# Altium PCB PCB2.PcbDoc (part 1 of 3) (continued)
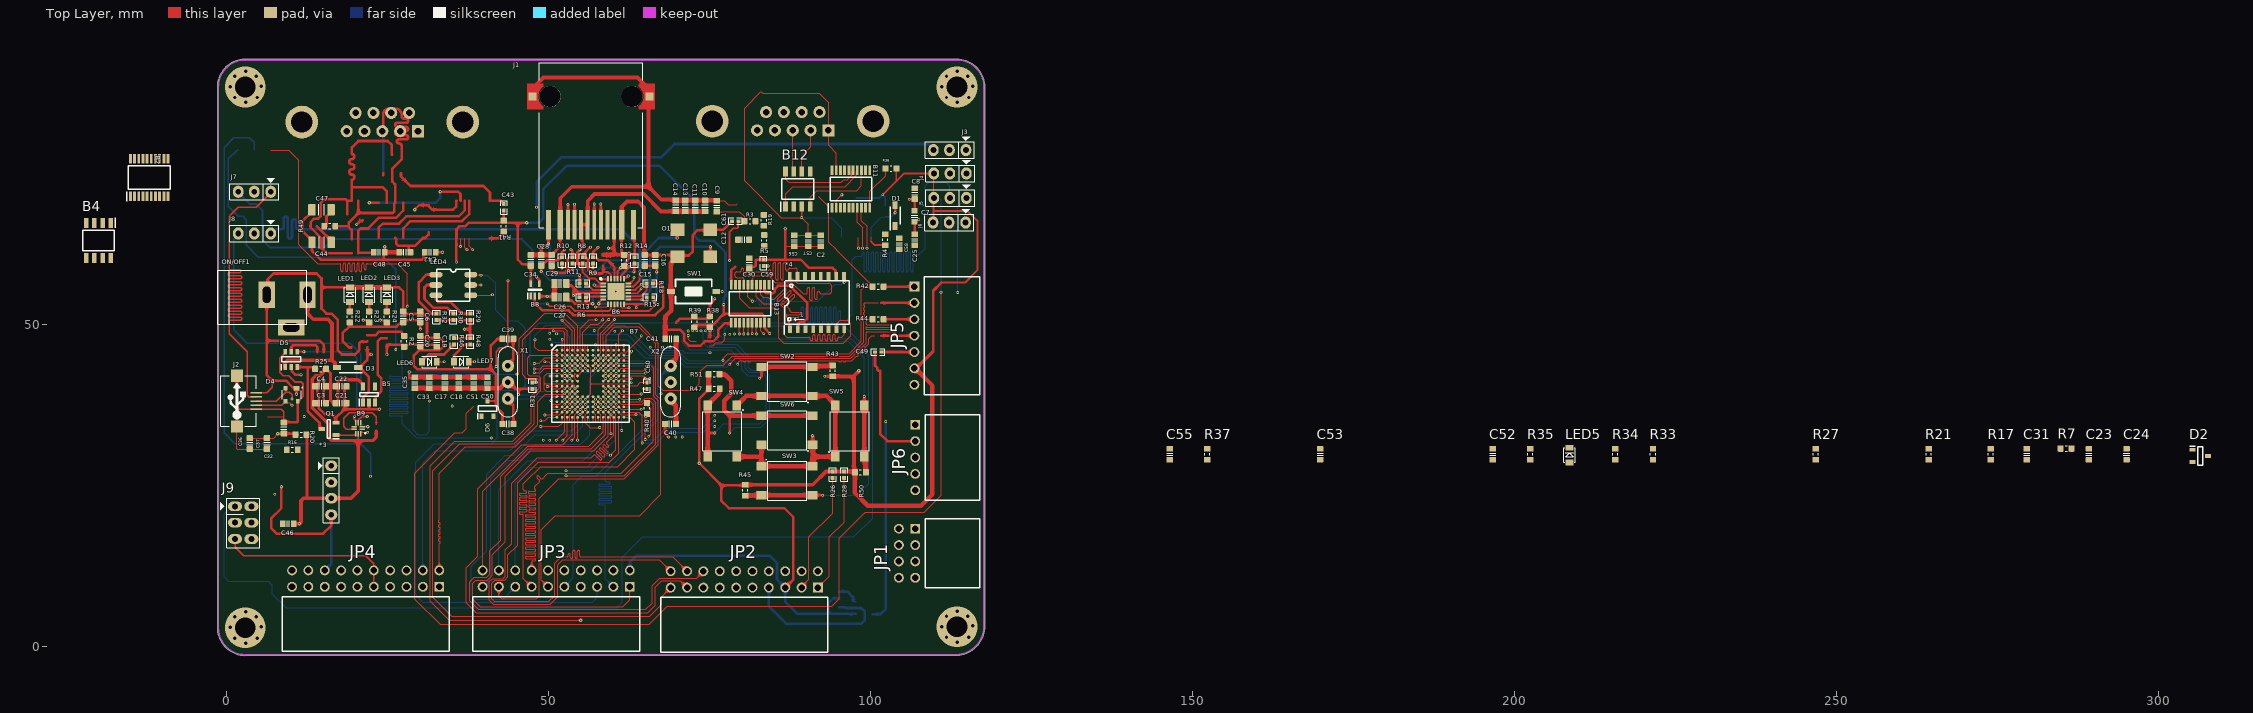
[diagram p0: Top Layer view]
## Footprints (in the part's own frame and the unit in brackets; to place one, negate y for a bottom-side part, rotate by r counter-clockwise, add the part's x,y. Pads: shape width x height; smd on the part's side, far side on the other; paste and mask are expansions set on the pad) (continued)
JP3x2 [mil] "Connector 3x2"
  oval 60x86 hole 36: 1(-100,-50) 2(0,-50) 3(99,-50) 4(-100,50) 5(0,50) 6(100,50)
  silkscreen extent -150,-141 153,100, body extent -150,-100 150,100, height 335
"JP 1x5 CC" [mm]
  rect 1.52x1.52 hole 1.02: 1(-5.08,0)
  round 1.52 hole 1.02: 2(-2.54,0) 3(0,0) 4(2.54,0) 5(5.08,0)
  silkscreen extent -6.6,1.52 6.6,10.05, body extent -6.6,-0.25 6.6,10.05, height 2.51
"JP 1x7 CC" [mm] "07p 1 row Right angle"
  rect 1.52x1.52 hole 1.02: 1(-7.62,0)
  round 1.52 hole 1.02: 2(-5.08,0) 3(-2.54,0) 4(0,0) 5(2.54,0) 6(5.08,0) 7(7.62,0)
  silkscreen extent -9.14,1.52 9.14,10.17, body extent -9.14,-0.25 9.14,10.05, height 2.51
"JP 2X4 CC" [mm] "08p 2 rows Right angle"
  rect 1.52x1.52 hole 1.02: 1(-3.81,1.27)
  round 1.52 hole 1.02: 2(-1.27,1.27) 3(1.27,1.27) 4(3.81,1.27) 5(3.81,-1.27) 6(1.27,-1.27) 7(-1.27,-1.27) 8(-3.81,-1.27)
  silkscreen extent -5.33,2.79 5.33,11.32, body extent -5.33,-1.52 5.33,11.32, height 5.09
"JP 2x10 CC" [mm] "20p 2 rows Right angle"
  rect 1.52x1.52 hole 1.02: 1(-11.43,1.27)
  round 1.52 hole 1.02: 2(-8.89,1.27) 3(-6.35,1.27) 4(-3.81,1.27) 5(-1.27,1.27) 6(1.27,1.27) 7(3.81,1.27) 8(6.35,1.27) 9(8.89,1.27) 10(11.43,1.27) 11(11.43,-1.27) 12(8.89,-1.27) 13(6.35,-1.27) 14(3.81,-1.27) 15(1.27,-1.27) 16(-1.27,-1.27) 17(-3.81,-1.27) 18(-6.35,-1.27) 19(-8.89,-1.27) 20(-11.43,-1.27)
  silkscreen extent -12.95,2.79 12.95,11.32, body extent -12.95,-1.48 12.95,11.36, height 5.09
"LED RGB 5050" [mm]
  oct 2x0.9 smd: 1(-2.794,1.6)
  oval 2x0.9 smd: 2(-2.794,0) 3(-2.794,-1.6) 4(2.606,-1.6) 5(2.606,0) 6(2.606,1.6)
  silkscreen extent -2.67,-2.54 2.41,2.4, body extent -2.78,-2.54 2.52,2.46, height 1.6
"OLED_I2C - duplicate" [mil] "Jumper 4"
  oval 75x65 hole 36: 1(-75,145) 2(-75,44) 3(-75,-54) 4(-75,-155)
  silkscreen extent -156,-205 -25,195, body extent -134,-245 1374,231, height 178
"OSC SMD5070" [mm]
  rect 2.15x1.95 smd: 1(-2.504,2.077) 2(-2.504,-2.123) 3(2.576,-2.123) 4(2.576,2.077)
  silkscreen extent -3.51,2.83 -3.41,2.93, body extent -3.61,-2.42 3.69,2.38, height 1
PMEG2005EGWX [mm]
  rect 1.25x0.8 smd: 1(-1.65,0) 2(1.65,0)
  silkscreen extent -2.27,-0.8 1.34,0.8, body extent -1.93,-0.84 1.67,0.76, height 1.24
PRTR5V0U2X [mm]
  rect 1x0.7 smd: 1(-0.75,-1)
  rect 0.6x0.7 smd: 2(0.95,-1) 3(0.95,1) 4(-0.95,1)
  silkscreen extent -1.7,-1.15 1.45,0.7, body extent -1.45,-1.14 1.45,1.26, height 0.81
QFN40P140X180X50-10N [mm]
  rect 0.85x0.2 smd: 1(-0.65,0.2) 2(-0.65,-0.2) 6(0.65,-0.2) 7(0.65,0.2)
  rect 0.2x0.85 smd: 3(-0.4,-0.85) 4(0,-0.85) 5(0.4,-0.85) 8(0.4,0.85) 9(0,0.85) 10(-0.4,0.85)
  silkscreen extent -1.17,0.7 -0.98,0.9, body extent -0.7,-0.91 0.7,0.89, height 0.45
QFN50P400X400X100-25N-D [mm]
  rect 0.85x0.3 smd: 1(-1.95,1.25) 2(-1.95,0.75) 3(-1.95,0.25) 4(-1.95,-0.25) 5(-1.95,-0.75) 6(-1.95,-1.25) 13(1.95,-1.25) 14(1.95,-0.75) 15(1.95,-0.25) 16(1.95,0.25) 17(1.95,0.75) 18(1.95,1.25)
  rect 0.3x0.85 smd: 7(-1.25,-1.95) 8(-0.75,-1.95) 9(-0.25,-1.95) 10(0.25,-1.95) 11(0.75,-1.95) 12(1.25,-1.95) 19(1.25,1.95) 20(0.75,1.95) 21(0.25,1.95) 22(-0.25,1.95) 23(-0.75,1.95) 24(-1.25,1.95)
  rect 2.6x2.6 smd: 25(0,0)
  silkscreen extent -2.5,1.88 -2.25,2.12, body extent -2.05,-2.05 2.05,2.05, height 1
RESC1005X40N [mm] "Chip Resistor, Body 1.0x0.5mm, EIA 0402, IPC Medium Density"
  round 0.2 on Mech15: 0(0,0)
  rrect20% 0.6x0.6 smd: 1(-0.5,0) 2(0.5,0)
  Top Layer pour cut-out: -0.325,0.375 -0.2,0.5 0.2,0.5 0.325,0.375 0.325,-0.375 0.2,-0.5 -0.2,-0.5 -0.325,-0.375
  silkscreen extent -1.05,-0.55 1.05,0.55, body extent -0.52,-0.27 0.53,0.28, height 0.4
RESC1608X55N [mm]
  round 0.254 on Mech15: 0(0,0)
  rrect25% 0.9x1 smd: 1(-0.85,0) 2(0.85,0)
  Top Layer pour cut-out: -0.6,0.5 -0.4,0.7 0.4,0.7 0.6,0.5 0.6,-0.5 0.4,-0.7 -0.4,-0.7 -0.6,-0.5
  silkscreen extent -0.15,-0.41 0.15,0.41, body extent -0.87,-0.47 0.88,0.48, height 0.54
RESD1CANYT116 [mm]
  rect 0.9x0.6 smd: 1(-1.2,0.95) 2(-1.2,-0.95) 3(1.2,0)
  silkscreen extent -1.65,-1.45 0.4,1.5, body extent -1.33,-1.45 1.07,1.45, height 1.15
SM-LED-0805-Blue [mm]
  rect 0.9x1.2 smd: 1(0,0) 2(2.286,0)
  silkscreen extent 0,-0.89 2.29,0.89, body extent 0.13,-0.62 2.15,0.63, height 1.1
SOT65P212X110-5N [mm]
  rect 1.05x0.4 smd: 1(-0.95,0.65) 2(-0.95,0) 3(-0.95,-0.65) 4(0.95,-0.65) 5(0.95,0.65)
  silkscreen extent -1.48,-1.02 0.08,1.1
SOT95P230X110-3N [mm]
  rect 1.05x0.6 smd: 1(-1.1,0.95) 2(-1.1,-0.95) 3(1.1,0)
  silkscreen extent -1.63,-1.45 0.23,1.5
SOT95P250X110-6N [mm]
  rect 0.9x0.55 smd: 1(-1.2,0.95) 2(-1.2,0) 3(-1.2,-0.95) 4(1.2,-0.95) 5(1.2,0) 6(1.2,0.95)
  silkscreen extent -1.65,-1.45 0.4,1.58, body extent -1.25,-1.45 1.25,1.45, height 1.1
SOT95P280X145-5N [mm]
  rect 1.2x0.6 smd: 1(-1.25,0.95) 2(-1.25,0) 3(-1.25,-0.95) 4(1.25,-0.95) 5(1.25,0.95)
  silkscreen extent -1.85,-1.45 0.3,1.5
SOT230P700X180-4N [mm]
  rect 1.9x0.9 smd: 1(-3.05,2.3) 2(-3.05,0) 3(-3.05,-2.3)
  rect 1.9x3.2 smd: 4(3.05,0)
  silkscreen extent -4,-3.25 1.75,3.25, body extent -3.37,-3.25 3.63,3.25, height 1.8
SW1-SMD [mm]
  rect 1.2x0.8 smd: 1(-3.5,0) 2(3.5,0)
  silkscreen extent -2.82,-1.85 2.82,1.85, body extent -3.05,-1.85 3.05,1.85, height 2.5
SW2-SMD [mm] "6*6mm vertical type, SMD, height 5.0mm, black actuator, 160gf, T&R"
  rect 1.55x1.3 smd: 1(-3.975,2.25) 2(-3.975,-2.25) 3(3.975,-2.25) 4(3.975,2.25)
  silkscreen extent -3.29,-3.04 3.04,3.29, body extent -4.5,-3.1 4.5,3.1, height 4.99
TJA1050 [mm]
  rect 1.55x0.7 smd: 1(-2.725,1.905) 2(-2.725,0.635) 3(-2.725,-0.635) 4(-2.725,-1.905) 5(2.725,-1.905) 6(2.725,-0.635) 7(2.725,0.635) 8(2.725,1.905)
  silkscreen extent -3.5,-2.45 1.6,2.61, body extent -3,-2.45 3,2.45, height 1.75
TXS0108EPWRG4 [mm]
  rect 1.475x0.45 smd: 1(-2.938,2.925) 2(-2.938,2.275) 3(-2.938,1.625) 4(-2.938,0.975) 5(-2.938,0.325) 6(-2.938,-0.325) 7(-2.938,-0.975) 8(-2.938,-1.625) 9(-2.938,-2.275) 10(-2.938,-2.925) 11(2.938,-2.925) 12(2.938,-2.275) 13(2.938,-1.625) 14(2.938,-0.975) 15(2.938,-0.325) 16(2.938,0.325) 17(2.938,0.975) 18(2.938,1.625) 19(2.938,2.275) 20(2.938,2.925)
  silkscreen extent -3.67,-3.25 1.85,3.5, body extent -3.2,-3.25 3.2,3.25, height 1.13
USB-M1 [mil]
  rect 10x70 smd: 1(51.18,0) 2(25.59,0) 3(0,0) 4(-25.59,0) 5(-50,0)
  rect 74.8x74.8 smd: 5(-155.51,116.84) 5(155.51,116.84)
  silkscreen extent -155,-1 155,215, body extent -157,5 158,218, height 107
W77Q [mm]
  rect 0.6x1.2 smd: 1(-191.846,270.307) 2(-190.627,270.307) 3(-189.459,270.307) 4(-188.239,270.307) 5(-187.046,270.307) 6(-185.852,270.307) 7(-184.633,270.307) 8(-183.413,270.307) 9(-183.439,278.561) 10(-184.658,278.561) 11(-185.877,278.561) 12(-187.071,278.561) 13(-188.265,278.561) 14(-189.484,278.561) 15(-190.652,278.561) 16(-191.872,278.561)
  silkscreen extent -192.68,271.1 -182.63,277.8, body extent -192.6,269.96 -182.6,278.66, height 2.24
XT3 [mil]
  round 75 hole 34: 1(-100,0) 2(100,0) 3(0,0)
  silkscreen extent -216,-60 211,60, body extent -212,-60 208,60, height 127

## Part data
B1: "LDO Voltage Regulators LDO SOT-25 ADJUSTABLE 300MA", Manufacturer_Name="Diodes Inc.", Mouser Part Number=621-AP7331-WG-7, Geometry.Height=1.45mm, Manufacturer_Part_Number=AP7331-WG-7, Mouser Price/Stock=https://www.mouser.co.uk/ProductDetail/Diodes-Incorporated/AP7331-WG-7?qs=vIZ3oKQCLxr9PiNSCoXN%2FQ%3D%3D
B2 B11 B13: "Translation - Voltage Levels 8B Bidir Vltg-Level Translator", Manufacturer_Name="Texas Instruments", Mouser Part Number=595-TXS0108EPWRG4, Datasheet Link=https://www.ti.com/lit/ds/symlink/txs0108e.pdf?ts=1617786399489&ref_url=https%253A%252F%252Fyellow-search.com%252F, Geometry.Height=1.2mm, Manufacturer_Part_Number=TXS0108EPWRG4, Mouser Price/Stock=https://www.mouser.co.uk/ProductDetail/Texas-Instruments/TXS0108EPWRG4?qs=wkx8pu8tL7LKCwSiM1j4%252Bw%3D%3D
B3: "1A 3.3V Low Noise LDO Regulator SOT223 DiodesZetex AP2114H-3.3TRG1, LDO Voltage Regulator, 1 (Min)A, 3.3 V +/-1.5%, 2.5  6 Vin, 3-Pin SOT-223", Manufacturer_Name="Diodes Inc.", Mouser Part Number=621-AP2114H-3.3TRG1, Geometry.Height=1.8mm, Manufacturer_Part_Number=AP2114H-3.3TRG1, Mouser Price/Stock=https://www.mouser.co.uk/ProductDetail/Diodes-Incorporated/AP2114H-3.3TRG1?qs=x6A8l6qLYDDSG%2FfwzcsOhw%3D%3D
B4 B12: "NXP - TJA1050T/CM,118 - CAN TRANSCEIVER, 1TX/RX, SOIC-8", Manufacturer_Name=NXP, Manufacturer_Part_Number=TJA1050T/CM,118, Mouser Part Number=771-TJA1050T/CM118, Datasheet Link=http://www.nxp.com/docs/en/data-sheet/TJA1050.pdf, Geometry.Height=1.75mm, Mouser Price/Stock=https://www.mouser.co.uk/ProductDetail/NXP-Semiconductors/TJA1050T-CM118?qs=5XOdhvmYM0NFFspw0VP5sA%3D%3D
B5: "300mA Low-Iq Low-Dropout (LDO) Regulator for Portables", Manufacturer_Name="Texas Instruments", Mouser Part Number=595-TLV70233DBVR, Datasheet Link=http://www.ti.com/lit/gpn/tlv702, Geometry.Height=1.45mm, Manufacturer_Part_Number=TLV70233DBVR, Mouser Price/Stock=https://www.mouser.co.uk/ProductDetail/Texas-Instruments/TLV70233DBVR?qs=zQ2yIHQ6k3wiHrD0NUI05Q%3D%3D
B6: "Low Power RMII 10/100 Ethernet PHY QFN24 Microchip LAN8720AI-CP Ethernet Transceiver, IEEE 802.3u, 10 Mbps, 100 Mbps 3.3 V, 24-Pin QFN", Manufacturer_Name=Microchip, Mouser Part Number=886-LAN8720AI-CP, Datasheet Link=https://datasheet.datasheetarchive.com/originals/distributors/Datasheets_SAMA/b5839e599958d8271adf7b0005a7ec5a.pdf, Geometry.Height=1mm, Manufacturer_Part_Number=LAN8720AI-CP, Mouser Price/Stock=https://www.mouser.co.uk/ProductDetail/Microchip-Technology/LAN8720AI-CP?qs=pA5MXup5wxGFjbujD0Lq5A%3D%3D
B7: "NXP - LPC54628J512ET180E - ARM MCU, 145, LPC Family LPC54000 Series Microcontrollers, ARM Cortex-M4, 32bit, 220 MHz, 512 KB", Manufacturer_Name=NXP, Mouser Part Number=771-LPC54628512ET180, Datasheet Link=http://www.nxp.com/docs/en/data-sheet/LPC546XX.pdf, Geometry.Height=1.2mm, Manufacturer_Part_Number=LPC54628J512ET180E, Mouser Price/Stock=https://www.mouser.co.uk/ProductDetail/NXP-Semiconductors/LPC54628J512ET180E?qs=HXFqYaX1Q2wGa7jURbjAiQ%3D%3D
B8: "Nexperia 74LVC1G04GW,125 Inverter, 5-Pin TSSOP", Manufacturer_Name=Nexperia, Manufacturer_Part_Number=74LVC1G04GW,125, Mouser Part Number=771-74LVC1G04GW-G, Datasheet Link=https://assets.nexperia.com/documents/data-sheet/74LVC1G04.pdf, Geometry.Height=1.1mm, Mouser Price/Stock=https://www.mouser.co.uk/ProductDetail/Nexperia/74LVC1G04GW125?qs=me8TqzrmIYXDN0WZ7xTSuQ%3D%3D
B9: "2 Circuit IC Switch 2:1 750mOhm 10-XQFN (1.4x1.8)", Manufacturer_Name=NXP, Manufacturer_Part_Number=NX3L2267GU,115, Mouser Part Number=771-NX3L2267GU115, Datasheet Link=http://www.nxp.com/docs/en/data-sheet/NX3L2267.pdf, Geometry.Height=0.5mm, Mouser Price/Stock=https://www.mouser.co.uk/ProductDetail/NXP-Semiconductors/NX3L2267GU115?qs=A1cBxND5mHJo%252BvgrLdXrcQ%3D%3D
C1 C4 C5 C6 C7 C8 C10 C11 C12 C13 C14 C15 C16 C17 C18 C19 C20 C21 C23 C25 C28 C29 C30 C31 C32 C33 C34 C35 C36 C37 C38 C39 C40 C41 C42 C43 C44 C45 C46 C47 C48 C49 C50 C51 C52 C56: library part "CAP C_0603", "Capacitor SMD Cer 470nF 10% 16V X7R 0603", Manufacturer 1="Murata Electronics North America", Manufacturer 2="TDK Corporation", Manufacturer 3="Taiyo Yuden", Manufacturer 4=Samsung, Manufacturer Part Number 1=GRM188R71C474KA88D, Manufacturer Part Number 2=C1608X7R1C474K, Manufacturer Part Number 3=EMK107B7474KA-T, Manufacturer Part Number 4=CL10B474KONE, Package / Case="0603 (1608 metric)", Ratings="16V; X7R", Supplier Part Number 1=490-3295-2-ND, Tolerance=±10%, ComponentLink1Description=http://psearch.murata.com/capacitor/product/GRM188R71C474KA88#.pdf, ComponentLink1URL=http://psearch.murata.com/capacitor/product/GRM188R71C474KA88#.pdf, ComponentLink2Description=http://product.tdk.com/capacitor/mlcc/en/documents/mlcc_commercial_general_en.pdf, ComponentLink2URL=http://product.tdk.com/capacitor/mlcc/en/documents/mlcc_commercial_general_en.pdf, ComponentLink3Description=http://www.yuden.co.jp/or/product/category/capacitor/EMK107B7474KA-T.pdf, ComponentLink3URL=http://www.yuden.co.jp/or/product/category/capacitor/EMK107B7474KA-T.pdf, Material=ceramic, SCDType=spec, Supplier 1=Digi-Key, Supplier 2=Digi-Key, Supplier 3=Digi-Key, Supplier Part Number 2=445-5192-2-ND, Supplier Part Number 3=587-1250-2-ND
C2 C3 C9 C22 C24 C53 C54 C55 C57 C58: library part "CAP C_0603_1", "Capacitor SMD Cer 470nF 10% 16V X7R 0603", Manufacturer 1="Murata Electronics North America", Manufacturer 2="TDK Corporation", Manufacturer 3="Taiyo Yuden", Manufacturer 4=Samsung, Manufacturer Part Number 1=GRM188R71C474KA88D, Manufacturer Part Number 2=C1608X7R1C474K, Manufacturer Part Number 3=EMK107B7474KA-T, Manufacturer Part Number 4=CL10B474KONE, Package / Case="0603 (1608 metric)", Ratings="16V; X7R", Supplier Part Number 1=490-3295-2-ND, Tolerance=±10%, ComponentLink1Description=http://psearch.murata.com/capacitor/product/GRM188R71C474KA88#.pdf, ComponentLink1URL=http://psearch.murata.com/capacitor/product/GRM188R71C474KA88#.pdf, ComponentLink2Description=http://product.tdk.com/capacitor/mlcc/en/documents/mlcc_commercial_general_en.pdf, ComponentLink2URL=http://product.tdk.com/capacitor/mlcc/en/documents/mlcc_commercial_general_en.pdf, ComponentLink3Description=http://www.yuden.co.jp/or/product/category/capacitor/EMK107B7474KA-T.pdf, ComponentLink3URL=http://www.yuden.co.jp/or/product/category/capacitor/EMK107B7474KA-T.pdf, Material=ceramic, SCDType=spec, Supplier 1=Digi-Key, Supplier 2=Digi-Key, Supplier 3=Digi-Key, Supplier Part Number 2=445-5192-2-ND, Supplier Part Number 3=587-1250-2-ND
C26 C27: library part "CAP C_0805", "Capacitor SMD Cer 1.8nF 10% 50V X7R 0805", Manufacturer 1="AVX Corporation", Manufacturer Part Number 1=08055C182KAT2A, Operating Temperature="-55°C ~ 125°C", Package / Case="0805 (2012 metric)", Ratings="50V; X7R", Supplier Part Number 1=478-1374-1-ND, Tolerance=±10%, SCDType=source*, Supplier 1=Digi-Key
C59 C60 C61: library part "CAP C_0402", "Capacitor SMD Cer 1nF 10% 16V X7R 0402", Manufacturer 1="AVX Corporation", Manufacturer 2=Yageo, Manufacturer Part Number 1=0402YC102KAT2A, Manufacturer Part Number 2=CC0402KRX7R7BB102, Operating Temperature="-55°C ~ 125°C", Package / Case="0402 (1005 Metric)", Ratings="16V; X7R", Supplier Part Number 1=478-6197-1-ND, Tolerance=±10%, ComponentLink1Description=http://www.avx.com/docs/Catalogs/cx7r.pdf, ComponentLink1URL=http://www.avx.com/docs/Catalogs/cx7r.pdf, ComponentLink2Description=http://www.yageo.com/documents/recent/UPY-GPHC_X7R_6.3V-to-50V_8.pdf, ComponentLink2URL=http://www.yageo.com/documents/recent/UPY-GPHC_X7R_6.3V-to-50V_8.pdf, SCDType=spec, Size / Dimension="0.039\" L x 0.020\" W (1.00mm x 0.50mm)", Supplier 1=Digi-Key, Supplier 2=Digi-Key, Supplier Part Number 2=311-1352-1-ND
D1 D3: "Schottky Diodes & Rectifiers SCHOTTKY DIODE", Manufacturer_Name=Nexperia, Mouser Part Number=841-PMEG2005EGWX, Datasheet Link=https://assets.nexperia.com/documents/data-sheet/PMEG2005EGW.pdf, Geometry.Height=1.3mm, Manufacturer_Part_Number=PMEG2005EGWX, Mouser Price/Stock=https://www.mouser.co.uk/ProductDetail/Nexperia/PMEG2005EGWX?qs=EO%252B2iqeaG002IDp7lV8MpA%3D%3D
D2 D6: "44V Clamp 8A (8/20s) Ipp Tvs Diode Surface Mount SOT-23", Manufacturer_Name="ROHM Semiconductor", Mouser Part Number=755-RESD1CANYT116, Datasheet Link=https://fscdn.rohm.com/en/products/databook/datasheet/discrete/diode/zener/resd1canyt116-e.pdf, Geometry.Height=1.15mm, Manufacturer_Part_Number=RESD1CANYT116, Mouser Price/Stock=https://www.mouser.co.uk/ProductDetail/ROHM-Semiconductor/RESD1CANYT116?qs=QNEnbhJQKvYriPM%2Fif65Fw%3D%3D
D4: "ESD Protection Diodes 5.5V Dual SOT143B NXP PRTR5V0U2X,215 Dual Uni-Directional TVS Diode, 4-Pin SOT-143B", Manufacturer_Name=Nexperia, Manufacturer_Part_Number=PRTR5V0U2X,215, Mouser Part Number=771-PRTR5V0U2X-T/R, Datasheet Link=https://assets.nexperia.com/documents/data-sheet/PRTR5V0U2X.pdf, Geometry.Height=1.1mm, Mouser Price/Stock=https://www.mouser.co.uk/ProductDetail/Nexperia/PRTR5V0U2X215?qs=LOCUfHb8d9sDkgY4cRj8Lw%3D%3D
D5: library part TVS3V3L4U_E6327, "Infineon TVS3V3L4U E6327 Uni-Directional TVS Diode, 6-Pin SC-74", Manufacturer_Name=Infineon, Manufacturer_Part_Number="TVS3V3L4U E6327", Mouser Part Number=726-TVS3V3L4UE6327, Geometry.Height=1.1mm, Mouser Price/Stock=https://www.mouser.co.uk/ProductDetail/Infineon-Technologies/TVS3V3L4U-E6327?qs=TI%2F9gtmDCEGtLRKGd2tf3A%3D%3D
J1: "1 Port RJ45 Magjack Connector Surface Mount 10/100 Base-T, AutoMDIX", Package=None, Availability="In Stock", Check_prices=https://www.snapeda.com/parts/ARJE-0034/Abracon+LLC/view-part/?ref=eda, MF="Abracon LLC", MP=ARJE-0034, Price=None, Purchase-URL=https://pricing.snapeda.com/search/part/ARJE-0034/?ref=eda, SnapEDA_Link=https://www.snapeda.com/parts/ARJE-0034/Abracon+LLC/view-part/?ref=snap
J2: Manufacturer=FCI, Manufacturer Part Number=10118193-0001LF, Supplier Part Number 1=609-4616-1-ND, .Checked PCB=RF, .Checked SCH=MM, .Creator=MM, Category="Connectors, Interconnects", ComponentLink1Description=http://portal.fciconnect.com/Comergent//fci/drawing/10118193.pdf, ComponentLink1URL=http://portal.fciconnect.com/Comergent//fci/drawing/10118193.pdf, Connector Type="USB - micro B", Features="Shielded, Solder Retention", Gender=Receptacle, Ingress Protection=-, Mounting Type="Surface Mount, Right Angle, Horizontal", Number of Contacts=5, Packaging="Cut Tape (CT)", Pricing 1="1=0.46, 10=0.433, 25=0.3712, 50=0.3156, 100=0.3032, 250=0.27224, 500=0.25988 (USD)", RoHS="RoHS Compliant", Specifications="USB 2.0", Stock 1=28642, Supplier 1=Digi-Key
J3 J4 J5 J6: library part JP3
J7 J8: library part JP3, "Jumper 3"
J9: library part JP3x2
JP1: library part "JP 2x4 2.54 Cai Cong", "Cắm", Chung_Loai=Cắm, Don_Vi=Con, Ma_Hang=MH001274, Ten_Linh_Kien="Jump Đôi Cái 2.54MM 2x40P Cong"
JP2 JP3 JP4: library part "JP 2x10 2.54 Cai Cong", "Cắm", Chung_Loai=Cắm, Don_Vi=Con, Ma_Hang=MH001274, Ten_Linh_Kien="Jump Đôi Cái 2.54MM 2x40P Cong"
JP5: library part "JP 1x7 2.54 Cai Cong", "Cắm", Chung_Loai=Cắm, Don_Vi=Con, Ma_Hang=MH001265, Ten_Linh_Kien="Jump Đơn Cái 2.54MM 1x40P Cong"
JP6: library part "JP 1x5 2.54 Cai Cong", "Cắm", Chung_Loai=Cắm, Don_Vi=Con, Ma_Hang=MH001265, Ten_Linh_Kien="Jump Đơn Cái 2.54MM 1x40P Cong"
LED1 LED2 LED3 LED5 LED6 LED7: library part "LED SMD 0805"
LED4: library part "LED RGB 5050", Color="Red & Green & Blue", Manufacturer="Würth Elektronik eiSos GmbH", ComponentLink1Description=Manufacturer, ComponentLink1URL=http://www.we-online.de, ComponentLink2Description=Datasheet, ComponentLink2URL=http://katalog.we-online.com/led/datasheet/150141M173100.pdf, Created by="Christin Otto", Created Date="June 2013", PartNo=150141M173100
O1: library part "OSC SMD5070", "OSC For all Crystal 4pin."
ON/OFF1: library part DCIN
Q1: "BSS138P,215 N-Channel MOSFET, 360 mA, 60 V, 3-Pin SOT-23 Nexperia", Manufacturer_Name=Nexperia, Manufacturer_Part_Number=BSS138P,215, Mouser Part Number=771-BSS138P215, Datasheet Link=https://assets.nexperia.com/documents/data-sheet/BSS138P.pdf, Geometry.Height=1.1mm, Mouser Price/Stock=https://www.mouser.co.uk/ProductDetail/Nexperia/BSS138P215?qs=A1cBxND5mHJyVAOcRahidg%3D%3D
R1 R2 R3 R4 R5 R7 R12 R16 R17 R19 R20 R21 R22 R23 R24 R25 R27 R33 R34 R35 R36 R37 R38 R39 R40 R41 R42 R43 R44 R45 R47 R49 R50 R51: "Resistor, SMD chip", Package / Case="0603 (1608 metric)"
R6 R8 R9 R10 R11 R13 R14 R15 R18 R26 R28 R29 R30 R31 R32 R46 R48: library part RES_0402, "Resistor SMD chip 1k Ohm 0.063W 5% 0402", Manufacturer 1=Yageo, Manufacturer 2="Vishay Dale", Manufacturer 3="Samsung Electro-Mechanics America, Inc", Manufacturer 4="Rohm Semiconductor", Manufacturer 5="Panasonic Electronic Components", Manufacturer Part Number 1=RC0402JR-071KL, Manufacturer Part Number 2=CRCW04021K00JNED, Manufacturer Part Number 3=RC1005J102CS, Manufacturer Part Number 4=MCR01MRTJ102, Manufacturer Part Number 5=ERJ-2GEJ102X, Package / Case="0402 (1005 Metric)", Ratings="1/16 W", Supplier Part Number 1=311-1.0KJRCT-ND, Tolerance=±5%, ComponentLink1Description=http://www.yageo.com/documents/recent/PYu-RC0402_51_RoHS_L_6.pdf, ComponentLink1URL=http://www.yageo.com/documents/recent/PYu-RC0402_51_RoHS_L_6.pdf, ComponentLink2Description=http://www.vishay.com/doc?20035, ComponentLink2URL=http://www.vishay.com/doc?20035, ComponentLink3Description=http://www.samsungsem.com/servlet/FileDownload?filename=productcatalog/pdf/Chip_Resistor.pdf, ComponentLink3URL=http://www.samsungsem.com/servlet/FileDownload?filename=productcatalog/pdf/Chip_Resistor.pdf, ComponentLink4Description=http://rohmfs.rohm.com/en/products/databook/datasheet/passive/resistor/chip_resistor/mcr_g.pdf, ComponentLink4URL=http://rohmfs.rohm.com/en/products/databook/datasheet/passive/resistor/chip_resistor/mcr_g.pdf, ComponentLink5Description=http://industrial.panasonic.com/www-cgi/jvcr13pz.cgi?E+PZ+3+AOA0001+ERJ2GEJ102X+7+WW, ComponentLink5URL=http://industrial.panasonic.com/www-cgi/jvcr13pz.cgi?E+PZ+3+AOA0001+ERJ2GEJ102X+7+WW, RoHS 1="RoHS Compliant", RoHS 2="RoHS Compliant", RoHS 3="RoHS Compliant", RoHS 4="RoHS Compliant", RoHS 5="RoHS Compliant", SCDType=spec, Supplier 1=Digi-Key, Supplier 2=Digi-Key, Supplier 3=Digi-Key, Supplier 4=Digi-Key, Supplier 5=Digi-Key, Supplier Part Number 2=541-1.0KJCT-ND, Supplier Part Number 3=1276-4376-1-ND, Supplier Part Number 4=RHM1.0KCECT-ND, Supplier Part Number 5=P1.0KJCT-ND
SW1: library part SW2, "Switch button 2 pin"
SW2 SW3 SW4 SW5 SW6: library part SW4, "Switch button 4 pin"
X1 X2: library part XT3, "Crystal For all Crystal 2pin."

## Via types
v1: diameter 0.42, hole 0.2, Top Layer to Bottom Layer, tented both sides, 238 vias
v2: diameter 0.5, hole 0.25, Top Layer to Bottom Layer, tented both sides, 62 vias
v3: diameter 1, hole 0.54, Top Layer to Bottom Layer, 32 vias
v4: diameter 6.3, hole 3.2, Top Layer to Bottom Layer, 4 vias
v5: diameter 0.42, hole 0.2, Top Layer to Bottom Layer, 1 vias

## Nets (pads, with @x,y where several pads share a name; then routed paths per layer and width w, separated by ;. In a path a pad name is that pad's centre, name@x,y a point inside that pad or via, vN(x,y) a via of type N, cw(c..) or ccw(c..) an arc to the next point about the centre after c; other vN are vias at no path point)
1V8: *4.2 B1.5 B13.2 C59.1 C61.1 R49.1 | length 99.9
  Top Layer w0.12: 79.432,65.024 79.502,65.094
  Top Layer w0.3: v1(78.187,60.026) 78.187,64.471 78.74,65.024 79.432,65.024 ; 79.502,65.094 79.502,66.04 C61.1@79.584,66.122
  Top Layer w0.4: C59.1@83.483,59.153 83.485,59.155 84.168,59.155 v1(84.17,59.157) ; B13.2@83.637,56.233 83.637,55.18 83.871,54.946 84.975,54.946 85.21,55.18 85.21,55.601 85.698,56.089 v1(87.585,56.089) 87.59,56.089 90.252,53.427 90.252,51.009 89.744,50.501 89.113,50.501 88.879,50.267 88.879,49.459 *4.2@88.779,49.359
  GND Layer w0.4: v1(87.585,56.089) 88.474,55.2 99.65,55.2 102.444,52.406 v5(102.444,35.007)
  PWR Layer w0.4: v1(78.187,60.026) 83.301,60.026 v1(84.17,59.157) 86.676,59.157 87.585,58.248 v1(87.585,56.089)
  Bottom Layer w0.4: B1.5@100.442,5.101 101.621,5.101 102.444,5.924 v5(102.444,35.007)
100MBIT: B6.2 R14.1 | length 9.8
  Top Layer w0.22: B6.2@58.578,55.956 B6.2@58.584,55.95
  Top Layer w0.3: v2(57.181,56.216) 57.441,55.956 B6.2@58.578,55.956
  Top Layer w0.4: v2(63.328,58.248) 63.328,58.275 63.408,58.355 63.408,59.426 63.425,59.443 R14.1@63.425,59.526
  Bottom Layer w0.22: v2(57.181,56.216) 58.742,56.216 59.631,57.105 61.05,57.105 62.193,58.248 v2(63.328,58.248)
+3V3_USB_ENET: B5.5 B6.1 B6.19 B7.G3 B7.H1 C10.1 C11.1 C12.1 C13.1 C14.1 C15.1 C16.1 C20.1 C21.1 C33.2 C35.2 C50.1 C51.1 J1.5 J1.6 R8.1 R9.1 R10.1 R11.1 R19.1 | length 149
  Top Layer w0.12: v1(49.891,40.454) 49.905,40.467 51.364,40.467 B7.H1@51.378,40.481 ; v1(52.578,41.681) B7.G3@52.978,41.281
  Top Layer w0.22: v1(41.942,43.539) 41.942,45.879 42.5,46.437 43.389,46.437 43.77,46.818 v1(43.77,56.851) ; R8.1@55.327,59.472 R8.1@55.381,59.526 ; B6.19@61.784,57.15 B6.19@61.784,57.319
  Top Layer w0.3: R8.1@55.327,59.472 55.327,58.248 56.343,57.232 57.232,57.232 58.014,56.45 B6.1@58.584,56.45 ; B6.19@61.824,57.329 62.101,57.329 62.385,57.613 v2(62.439,57.613)
  Top Layer w0.4: 19.222,50.755 19.132,50.665 19.132,49.739 ; 19.406,46.503 19.106,46.503 18.116,47.493 18.116,48.723 19.132,49.739 ; v2(28.45,42.707) 28.45,41.727 29.133,41.727 C35.2@29.292,41.886 ; v2(30.181,49.358) 30.181,49.385 30.138,49.429 30.138,50.755 27.514,50.755 27.514,50.705 27.464,50.655 27.414,50.655 26.498,49.739 19.132,49.739 ; v2(52.152,58.883) 52.158,58.889 52.158,59.52 R10.1@52.164,59.526 ; R11.1@53.773,59.526 54.577,59.526 ; J1.5@55.129,65.545 J1.6@56.149,65.545 ; J1.5@55.321,65.436 55.321,62.052 v2(54.946,61.677) 54.565,61.296 54.565,59.538 54.577,59.526 ; R8.1@55.381,59.526 54.577,59.526 ; v2(56.978,58.883) 56.984,58.889 56.984,59.52 R9.1@56.99,59.526
  Top Layer w0.6: J1.6@56.149,65.545 56.154,65.55 56.154,69.235 57.232,70.313 64.852,70.313 67.519,67.646 C14.1@69.805,67.646
  Top Layer w0.7: C35.2@29.292,41.886 C33.2@31.578,41.886 C51.1@38.436,41.886 C50.1@40.595,41.886 ; C14.1@69.805,67.646 C13.1@71.329,67.646 C11.1@72.853,67.646 C10.1@74.377,67.646
  GND Layer w0.12: v1(41.942,43.539) 41.942,44.482 42.379,44.919 49.601,44.919 49.891,44.628 49.891,41.681 ; v1(49.891,40.454) 49.891,41.681 ; v1(52.578,41.681) 49.891,41.681
  PWR Layer w0.4: v2(28.45,42.707) 29.499,42.707 30.181,43.389 v2(30.181,49.358) ; v1(43.77,56.851) 43.77,57.613 45.04,58.883 v2(52.152,58.883) 52.179,58.883 52.687,59.391 54.946,59.391 ; v2(54.946,61.677) 54.946,59.391 ; v2(62.439,57.613) 60.445,57.613 59.175,58.883 v2(56.978,58.883) 55.454,58.883 54.946,59.391
  Bottom Layer w0.12: v2(28.45,42.707) 41.111,42.707 v1(41.942,43.539)
+5V: *1.1 *2.1 B2.19 B3.3 B4.3 B5.1 B11.19 B12.3 C2.1 C7.1 C8.1 C17.1 C22.1 C23.1 C53.1 C56.1 C57.1 D1.1 D3.1 JP3.18 JP4.11 JP4.14 JP5.7 JP6.3 R4.1 R21.1 | length 379.3
  Top Layer w0.12: C56.1@88.22,63.934 C57.1@90.424,63.934 ; C2.1@92.329,63.934 C57.1@90.424,63.934 ; B11.19@94.753,74.058 94.753,76.697 93.568,77.882 93.568,84.486 92.075,85.979 83.312,85.979 83.108,86.183 83.008,86.183 80.518,83.693 80.518,72.39 86.233,66.675 v1(89.408,66.675) 90.424,65.659 C57.1@90.424,63.934 ; 100.217,63.125 100.217,63.625 ; C7.1@106.897,67.734 C7.1@106.916,67.753 ; C8.1@106.916,69.529 C8.1@106.934,69.547
  Top Layer w0.2: v1(89.408,66.675) B12.3@89.408,68.395
  Top Layer w0.3: 100.172,62.953 100.729,62.396 R4.1@102.362,62.396
  Top Layer w0.4: 15.179,37.86 v2(15.179,41.341) ; D3.1@20.528,43.389 D3.1@20.753,43.389 ; B5.1@21.238,37.948 21.304,38.014 21.304,38.83 22.18,39.706 22.18,41.959 20.953,43.186 20.953,43.189 D3.1@20.753,43.389 ; 21.906,46.503 21.906,45.44 ; v2(22.561,45.421) 22.542,45.44 21.906,45.44 ; v2(23.958,50.755) 24.977,50.755 ; v2(24.974,45.421) 24.974,46.953 27.641,46.953 27.645,46.957 30.177,46.957 30.181,46.961 32.721,46.961 ; v2(29.292,67.9) 29.995,68.603 31.451,68.603 31.451,68.461 32.001,67.911 35.272,67.911 35.755,68.394 35.755,69.289 35.78,69.314 ; 32.555,61.296 v2(33.61,61.296) ; v1(106.09,69.545) 106.091,69.546 106.921,69.546 C8.1@106.922,69.545 ; C7.1@106.916,67.753 C8.1@106.916,69.529 ; D3.1@20.753,43.389 21.906,44.542 21.906,45.44
  PWR Layer w0.4: JP4.11@10.242,11.893 11.893,13.544 16.211,13.544 JP4.14@17.862,11.893 19.259,13.29 19.259,40.214 18.132,41.341 v2(15.179,41.341) 15.179,44.643 15.957,45.421 20.91,45.421 ; v2(24.974,45.421) 23.958,45.421 ; v2(29.292,67.9) 32.467,67.9 33.61,66.757 ; v2(33.61,61.296) 33.61,62.185 ; JP3.18@57.613,11.893 55.708,13.798 26.244,13.798 20.91,19.132 20.91,45.421 ; v1(89.408,66.675) 74.93,66.675 71.006,62.751 51.84,62.751 51.009,63.582 51.009,65.741 49.993,66.757 33.61,66.757 ; v1@106.151,69.596 106.59,69.596 108.458,67.728 108.458,42.291 JP5.7@106.889,40.722 108.794,38.817 108.794,31.197 JP6.3@107.016,29.419 ; 20.91,45.421 v2(22.561,45.421) 23.958,45.421 ; 23.958,45.421 v2(23.958,50.755) 34.753,50.755 35.527,49.981 35.527,48.711 36.277,47.961 37.674,47.961 38.436,48.723 38.436,58.502 34.753,62.185 33.61,62.185 ; 33.61,62.185 33.61,66.757
  Bottom Layer w0.12: v1(89.408,66.675) 93.98,66.675 95.617,65.038 B3.3@95.617,63.625
+5V_EXT: D5.1 | length 22.8
  Top Layer w0.6: D5.1@9.165,43.459 9.165,44.181 9.517,44.532 16.465,44.532 ; 12.655,54.692 12.655,51.771 13.544,50.882 15.83,50.882 16.465,50.247 16.465,44.532 ; 17.228,43.389 17.128,43.489 16.903,43.489 16.903,44.094 16.465,44.532
_BTN_DOWN: B7.G11 R45.2 SW3.2 SW3.3 | length 88
  Top Layer w0.12: B7.G11@59.378,41.281 v1(59.778,41.681)
  Top Layer w0.4: SW3.3@91.09,23.577 v1(92.665,23.577)
  Top Layer w0.7: R45.2@80.6,23.489 80.644,23.533 83.096,23.533 SW3.2@83.14,23.577 SW3.3@91.09,23.577
  PWR Layer w0.12: v1(59.778,41.681) 59.842,41.681 60.235,42.074 61.977,42.074 62.904,43.001 62.904,43.925 65.163,46.183 71.075,46.183 72.472,47.58 72.472,49.104 v1(72.48,49.112)
  Bottom Layer w0.12: v1(72.48,49.112) 72.501,49.133 72.501,49.641 72.853,49.993 76.028,49.993 76.536,49.485 76.536,48.596 77.241,47.891 97.053,47.891 99.777,45.167 99.777,25.355 97.999,23.577 v1(92.665,23.577)
_BTN_ENTER: B7.G14 R51.2 SW6.2 SW6.3 | length 71.5
  Top Layer w0.12: B7.G14@61.778,41.281 62.669,41.281 v1(62.937,41.012)
  Top Layer w0.4: 78.166,35.922 78.187,35.9 v1(78.187,33.229)
  Top Layer w0.7: R51.2@76.624,42.373 76.708,42.289 77.509,42.289 78.441,41.357 78.441,39.325 77.358,38.242 77.358,36.73 78.166,35.922 SW6.3@83.14,35.922 SW6.2@91.09,35.922
  PWR Layer w0.12: v1(62.937,41.012) 62.974,40.976 63.582,40.976 63.999,41.393 63.999,43.322 65.951,45.274 73.468,45.274 74.377,46.183 74.377,49.092 v1(74.389,49.104)
  Bottom Layer w0.12: v1(74.389,49.104) 74.758,48.735 74.758,47.58 75.344,46.994 79.281,46.994 81.114,45.161 81.114,43.468 81.573,43.008 83.536,43.008 84.41,42.134 84.41,35.388 83.14,34.118 79.076,34.118 v1(78.187,33.229)
_BTN_LEFT: B7.G13 R47.2 SW4.2 SW4.3 | length 61.2
  Top Layer w0.12: B7.G13@60.978,41.281 61.378,41.681 62.921,41.681 v1(62.938,41.664)
  Top Layer w0.4: 74.794,33.229 v1(75.901,33.229)
  Top Layer w0.7: SW4.3@74.794,29.554 74.794,33.229 SW4.2@74.794,37.504 74.794,37.629 76.563,39.398 76.563,39.987 R47.2@76.663,40.087 R47.2@76.748,40.172
  PWR Layer w0.12: v1(62.938,41.664) 63.31,41.664 63.627,41.98 63.627,43.495 65.68,45.548 72.599,45.548 73.742,46.691 v1(73.742,49.104)
  Bottom Layer w0.12: v1(73.742,49.104) 74.123,48.723 74.123,47.199 74.763,46.559 78.954,46.559 80.6,44.913 80.6,43.262 81.235,42.627 83.267,42.627 83.902,41.992 83.902,35.642 82.886,34.626 77.298,34.626 v1(75.901,33.229)
_BTN_RIGHT: B7.G12 R50.2 SW5.2 SW5.3 | length 64.8
  Top Layer w0.12: B7.G12@60.178,41.281 v1(60.578,41.681)
  Top Layer w0.4: SW5.3@99.106,37.504 v1(99.106,38.903)
  Top Layer w0.7: SW5.3@99.106,37.504 SW5.2@99.106,29.554 99.257,29.403 99.257,27.233 R50.2@99.357,27.133
  PWR Layer w0.12: v1(60.578,41.681) 62.382,41.681 63.262,42.561 63.262,43.73 65.37,45.838 71.746,45.838 73.107,47.199 v1(73.107,49.104)
  Bottom Layer w0.12: v1(73.107,49.104) 73.119,49.116 73.119,49.403 73.328,49.612 75.393,49.612 75.774,49.231 75.774,48.215 76.536,47.453 96.602,47.453 99.106,44.949 v1(99.106,38.903)
_BTN_UP: B7.G10 R43.2 SW2.2 SW2.3 | length 48.7
  Top Layer w0.12: B7.G10@58.578,41.281 v1(58.978,41.681)
  Top Layer w0.4: v1(82.886,41.738) 82.886,41.743 83.14,41.997 SW2.3@83.14,43.48
  Top Layer w0.7: SW2.3@83.14,43.48 SW2.2@91.09,43.48 91.241,43.631 94.089,43.631 R43.2@94.189,43.731
  PWR Layer w0.12: v1(58.978,41.681) 59.391,42.094 59.391,42.639 59.633,42.881 62.028,42.881 62.51,43.362 62.51,44.097 65.358,46.945 69.932,46.945 70.44,47.453 70.44,48.85 70.671,49.081 v1(71.759,49.081)
  Bottom Layer w0.12: v1(71.759,49.081) 71.737,49.104 71.075,49.104 70.821,48.85 70.821,47.326 71.975,46.172 78.325,46.172 80.092,44.405 80.092,43.067 81.04,42.119 82.505,42.119 v1(82.886,41.738)
A4-ENET_MDC: B6.13 B7.A4 | length 22
  Top Layer w0.12: v1(52.162,50.744) 53.778,49.128 B7.A4@53.778,46.081
  Top Layer w0.3: B6.13@62.484,53.95 62.847,53.95 64.578,53.95 v1(64.598,53.93)
  GND Layer w0.12: v1(52.162,50.744) 52.204,50.702 55.782,50.702 56.47,51.39 57.359,51.39 58.013,52.044 63.982,52.044 64.598,52.66 v1(64.598,53.93)
A6-ENET_RXD1: B6.7 B7.A6 | length 11.8
  Top Layer w0.12: B7.A6@55.378,46.081 55.378,48.901 56.597,50.12 57.782,50.12 v1(58.489,50.827) ; v1(57.359,52.782) 57.378,52.801 59.11,52.801 59.284,52.975 B6.7@59.284,53.25
  Bottom Layer w0.12: v1(57.359,52.782) 57.999,52.782 58.502,52.279 58.502,50.84 v1(58.489,50.827)
A9-ENET_RXD0: B6.8 J7.3 | length 74.7
  Top Layer w0.3: v1(49.866,53.295) 50.247,52.914 53.422,52.914 54.184,52.152 59.391,52.152 59.784,52.545 B6.8@59.784,53.25
  Bottom Layer w0.3: J7.3@1.885,70.694 1.885,70.567 3.663,68.789 4.654,68.789 5.67,67.773 5.67,63.201 6.813,62.058 15.322,62.058 16.592,63.328 45.929,63.328 47.58,61.677 47.58,54.057 48.342,53.295 v1(49.866,53.295)
A9-ENET_RXD0-USB0_ID: B7.A9 J7.2 | length 78.1
  Top Layer w0.12: B7.A9@57.778,46.081 57.778,49.269 59.368,50.859 v1(59.404,50.859)
  GND Layer w0.12: J7.2@4.375,70.694 4.375,70.821 6.026,72.472 7.956,72.472 9.734,70.694 26.498,70.694 28.276,68.916 28.276,60.661 30.054,58.883 40.341,58.883 42.373,56.851 42.373,52.66 43.897,51.136 46.31,51.136 47.199,50.247 58.756,50.247 59.368,50.859 v1(59.404,50.859)
A9-USB0_ID: J2.2 J7.1 | length 72.4
  Top Layer w0.22: J2.2@4.654,38.832 3.496,38.832 3.257,39.071 3.257,45.878 0.463,48.672 0.463,49.954 0.463,50.524 cw(c0.693,50.524) 0.693,50.754 2.224,50.754 ccw(c2.224,50.984) 2.224,51.214 0.582,51.214 cw(c0.582,51.444) 0.582,51.674 2.224,51.674 ccw(c2.224,51.904) 2.224,52.134 0.582,52.134 cw(c0.582,52.364) 0.582,52.594 2.224,52.594 ccw(c2.224,52.824) 2.224,53.054 0.582,53.054 cw(c0.582,53.284) 0.582,53.514 2.224,53.514 ccw(c2.224,53.744) 2.224,53.974 0.582,53.974 cw(c0.582,54.204) 0.582,54.434 2.224,54.434 ccw(c2.224,54.664) 2.224,54.894 0.582,54.894 cw(c0.582,55.124) 0.582,55.354 2.224,55.354 ccw(c2.224,55.584) 2.224,55.814 0.582,55.814 cw(c0.582,56.044) 0.582,56.274 2.224,56.274 ccw(c2.224,56.504) 2.224,56.734 0.582,56.734 cw(c0.582,56.964) 0.582,57.194 2.224,57.194 ccw(c2.224,57.424) 2.224,57.654 0.582,57.654 cw(c0.582,57.884) 0.582,58.114 2.088,58.114 ccw(c2.088,58.344) 2.088,58.574 0.693,58.574 cw(c0.693,58.804) 0.463,58.804 0.463,61.169 0.463,66.884 1.86,68.281 4.654,68.281 6.94,70.567 J7.1@6.94,70.694
A14-USB0_PORTPWRn: B7.A14 B9.10 | length 52.9
  Top Layer w0.12: B9.10@20.929,33.141 20.929,33.291 20.969,33.331 v1(22.017,33.331) ; v1(61.733,46.874) 61.755,46.851 61.755,46.104 B7.A14@61.778,46.081
  GND Layer w0.12: v1(22.017,33.331) 22.042,33.356 37.42,33.356 40.214,36.15 40.214,45.167 40.976,45.929 51.054,45.929 51.562,46.437 56.675,46.437 56.929,46.183 57.867,46.183 58.121,46.437 60.915,46.437 61.343,46.865 61.724,46.865 v1(61.733,46.874)
B5-ENET_RX_CLK: B7.B5 J3.2 | length 85.1
  Top Layer w0.12: v1(52.152,51.39) 54.178,49.364 54.178,45.681 B7.B5@54.578,45.281
  PWR Layer w0.12: v1(52.152,51.39) 52.608,51.846 91.978,51.846 94.824,54.692 94.824,62.297 96.363,63.836 100.412,63.836 101.555,64.979 101.555,69.551 104.857,72.853 106.127,72.853 108.712,75.438 110.592,75.438 112.224,77.07 J3.2@112.325,77.171
B6-ENET_TX_EN: B6.16 B7.B6 | length 23.5
  Top Layer w0.12: B7.B6@55.378,45.281 54.978,45.681 54.978,49.39 56.415,50.827 v1(57.482,50.827)
  Top Layer w0.3: B6.16@62.484,55.45 63.546,55.45 64.439,56.343 v1(64.455,56.343)
  GND Layer w0.12: v1(57.482,50.827) 57.482,50.878 58.248,51.644 64.852,51.644 65.741,52.533 65.741,55.835 65.233,56.343 v1(64.455,56.343)
B9-ENET_CRS_DV: B6.11 B7.B9 | length 12.2
  Top Layer w0.12: B7.B9@57.778,45.281 58.213,45.716 58.213,48.746 v1(60.326,50.859) ; B6.11@61.284,53.25 61.354,53.18 61.354,52.73 61.424,52.66 v1(62.566,52.66)
  Bottom Layer w0.12: v1(60.326,50.859) 60.326,52.198 60.788,52.66 v1(62.566,52.66)
B12-USB0_VBUS: B7.B12 R16.2 R17.1
B14-ENET_TXD0: B6.17 J8.1 | length 74.8
  Top Layer w0.3: B6.17@62.484,55.95 63.189,55.95 64.217,56.978 v1(64.217,58.248)
  Bottom Layer w0.4: J8.1@6.94,64.217 7.152,64.217 7.321,64.387 7.787,64.852 8.561,64.852 ccw(c8.561,65.252) 8.961,65.252 8.961,66.525 cw(c9.281,66.525) 9.601,66.525 9.601,63.731 ccw(c9.921,63.731) 10.241,63.731 10.241,66.097 cw(c10.561,66.097) 10.881,66.097 10.881,65.252 ccw(c11.281,65.252) 11.281,64.852 12.401,64.852 61.423,64.852 64.217,62.058 v1(64.217,58.248)
B14-ENET_TXD0-USB0_OVRCURn: B7.B14 J8.2 | length 83.4
  Top Layer w0.12: B7.B14@61.778,45.281 62.553,45.281 62.918,45.646 62.918,45.9 v1(62.947,45.929)
  GND Layer w0.12: J8.2@4.375,64.217 4.4,64.242 4.4,68.027 5.416,69.043 8.718,69.043 9.861,70.186 26.244,70.186 27.768,68.662 27.768,60.28 29.673,58.375 40.087,58.375 41.865,56.597 41.865,52.533 43.695,50.703 45.981,50.703 46.945,49.739 59.645,49.739 v1(60.369,49.015)
  PWR Layer w0.12: v1(60.369,49.015) 60.369,48.38 60.788,47.961 62.312,47.961 62.947,47.326 v1(62.947,45.929)
B14-USB0_OVRCURn: B9.2 J8.3 | length 49.4
  Top Layer w0.22: B9.2@21.179,34.191 v2(21.999,34.191)
  Bottom Layer w0.22: J8.3@1.885,64.217 1.885,63.959 1.225,63.299 1.225,49.238 3.264,47.199 19.259,47.199 20.91,45.548 20.91,34.753 21.419,34.244 21.946,34.244 v2(21.999,34.191)
C4-ENET_MDIO: B6.12 B7.C4 R15.1 | length 28
  Top Layer w0.12: v1(53.378,44.881) B7.C4@53.778,44.481
  Top Layer w0.22: R15.1@65.328,54.311 R15.1@65.36,54.279
  Top Layer w0.3: B6.12@61.784,53.25 63.723,53.25 ; v1(63.709,52.66) 63.723,52.674 63.723,53.25 ; R15.1@65.36,54.279 65.36,53.676 64.934,53.25 63.723,53.25
  GND Layer w0.12: v1@51.263,48.675 v1(51.301,48.637) ; v1(56.181,52.758) 56.181,52.695 56.527,52.349 59.648,52.349 60.366,53.066 62.922,53.066 63.328,52.66 v1(63.709,52.66)
  PWR Layer w0.12: v1(51.301,48.637) 51.301,52.093 51.966,52.758 v1(56.181,52.758)
  Bottom Layer w0.12: v1(51.301,48.637) 52.873,48.637 53.378,48.132 v1(53.378,44.881)
CAN0_RD: B7.J3 B11.8 JP4.20 | length 119.4
  Top Layer w0.12: JP4.20@33.102,11.893 33.102,15.703 33.102,16.063 ccw(c33.102,16.243) 33.102,16.423 cw(c33.102,16.603) 33.102,16.783 ccw(c33.102,16.963) 33.102,17.143 cw(c33.102,17.323) 33.102,17.503 ccw(c33.102,17.683) 33.102,17.863 cw(c33.102,18.043) 33.102,18.223 ccw(c33.102,18.403) 33.102,18.583 cw(c33.102,18.763) 33.102,18.943 ccw(c33.102,19.123) 33.102,19.303 cw(c33.102,19.483) 33.102,19.663 33.102,19.767 33.102,27.006 37.166,31.07 44.913,31.07 48.38,34.537 48.38,38.093 49.568,39.281 52.556,39.281 v1(52.578,39.303) ; v1@52.578,39.281 B7.J3@52.978,39.681 ; B11.8@98.653,68.182 98.653,66.193 99.523,65.323 v1(99.523,61.931)
  PWR Layer w0.12: v1(52.578,39.303) 52.556,39.281 51.307,39.281 50.882,39.706 50.882,47.468 54.782,51.368 93.171,51.368 97.364,55.562 97.364,61.951 97.852,62.439 99.015,62.439 v1(99.523,61.931)
CAN0_STB: B7.D3 B11.6
CAN0_TD: B7.M6 B11.7 JP4.19 | length 118.4
  Top Layer w0.12: v1(54.978,36.881) B7.M6@55.378,37.281 ; B11.7@98.003,68.182 98.003,65.954 98.838,65.119 v1(98.838,61.914)
  PWR Layer w0.12: v1(54.978,36.881) 54.565,37.294 54.565,38.944 55.391,39.77 55.391,48.025 57.232,49.866 94.824,49.866 98.838,53.88 v1(98.838,61.914)
  Bottom Layer w0.12: JP4.19@30.562,11.893 30.562,28.53 32.516,30.484 44.073,30.484 47.199,33.61 53.676,33.61 54.585,34.519 54.585,36.488 v1(54.978,36.881)
CAN1_HIGH: *1.3 B4.7 D2.1 R3.2 R7.1
CAN1_LOW: *1.2 B4.6 D2.2 R5.1 R7.2
CAN1_RD: B2.8 B7.D1 JP2.20
CAN1_STB: B2.6 B7.D2
CAN1_TD: B2.7 B7.N12 JP2.19
CAN_HIGH: *2.3 B12.7 D6.1 R41.2 R44.1 | length 6.9
  Top Layer w0.12: *2.3@87.994,80.218 87.994,73.989 B12.7@88.138,73.845
  Top Layer w0.4: 81.854,66.122 81.911,66.179 ; 103.685,65.234 103.968,64.951
CAN_LOW: *2.2 B12.6 D6.2 R42.1 R44.2 | length 24.4
  Top Layer w0.12: B12.6@89.408,73.845 89.408,76.327 90.764,77.683 *2.2@90.764,80.218 ; 91.948,69.977 93.599,68.326 93.599,62.865 94.742,61.722 94.742,61.665 100.395,56.012 R42.1@100.395,55.962